# Altium PCB 布局图.PcbDoc
Units mm, origin at the board's own origin, x right, y up, seen from the top; angles counter-clockwise.
Board outline 56.21 x 60.21 mm, 2 copper layers (Top Layer, Bottom Layer); 35 components, 35 nets, 125 pads, 29 vias.
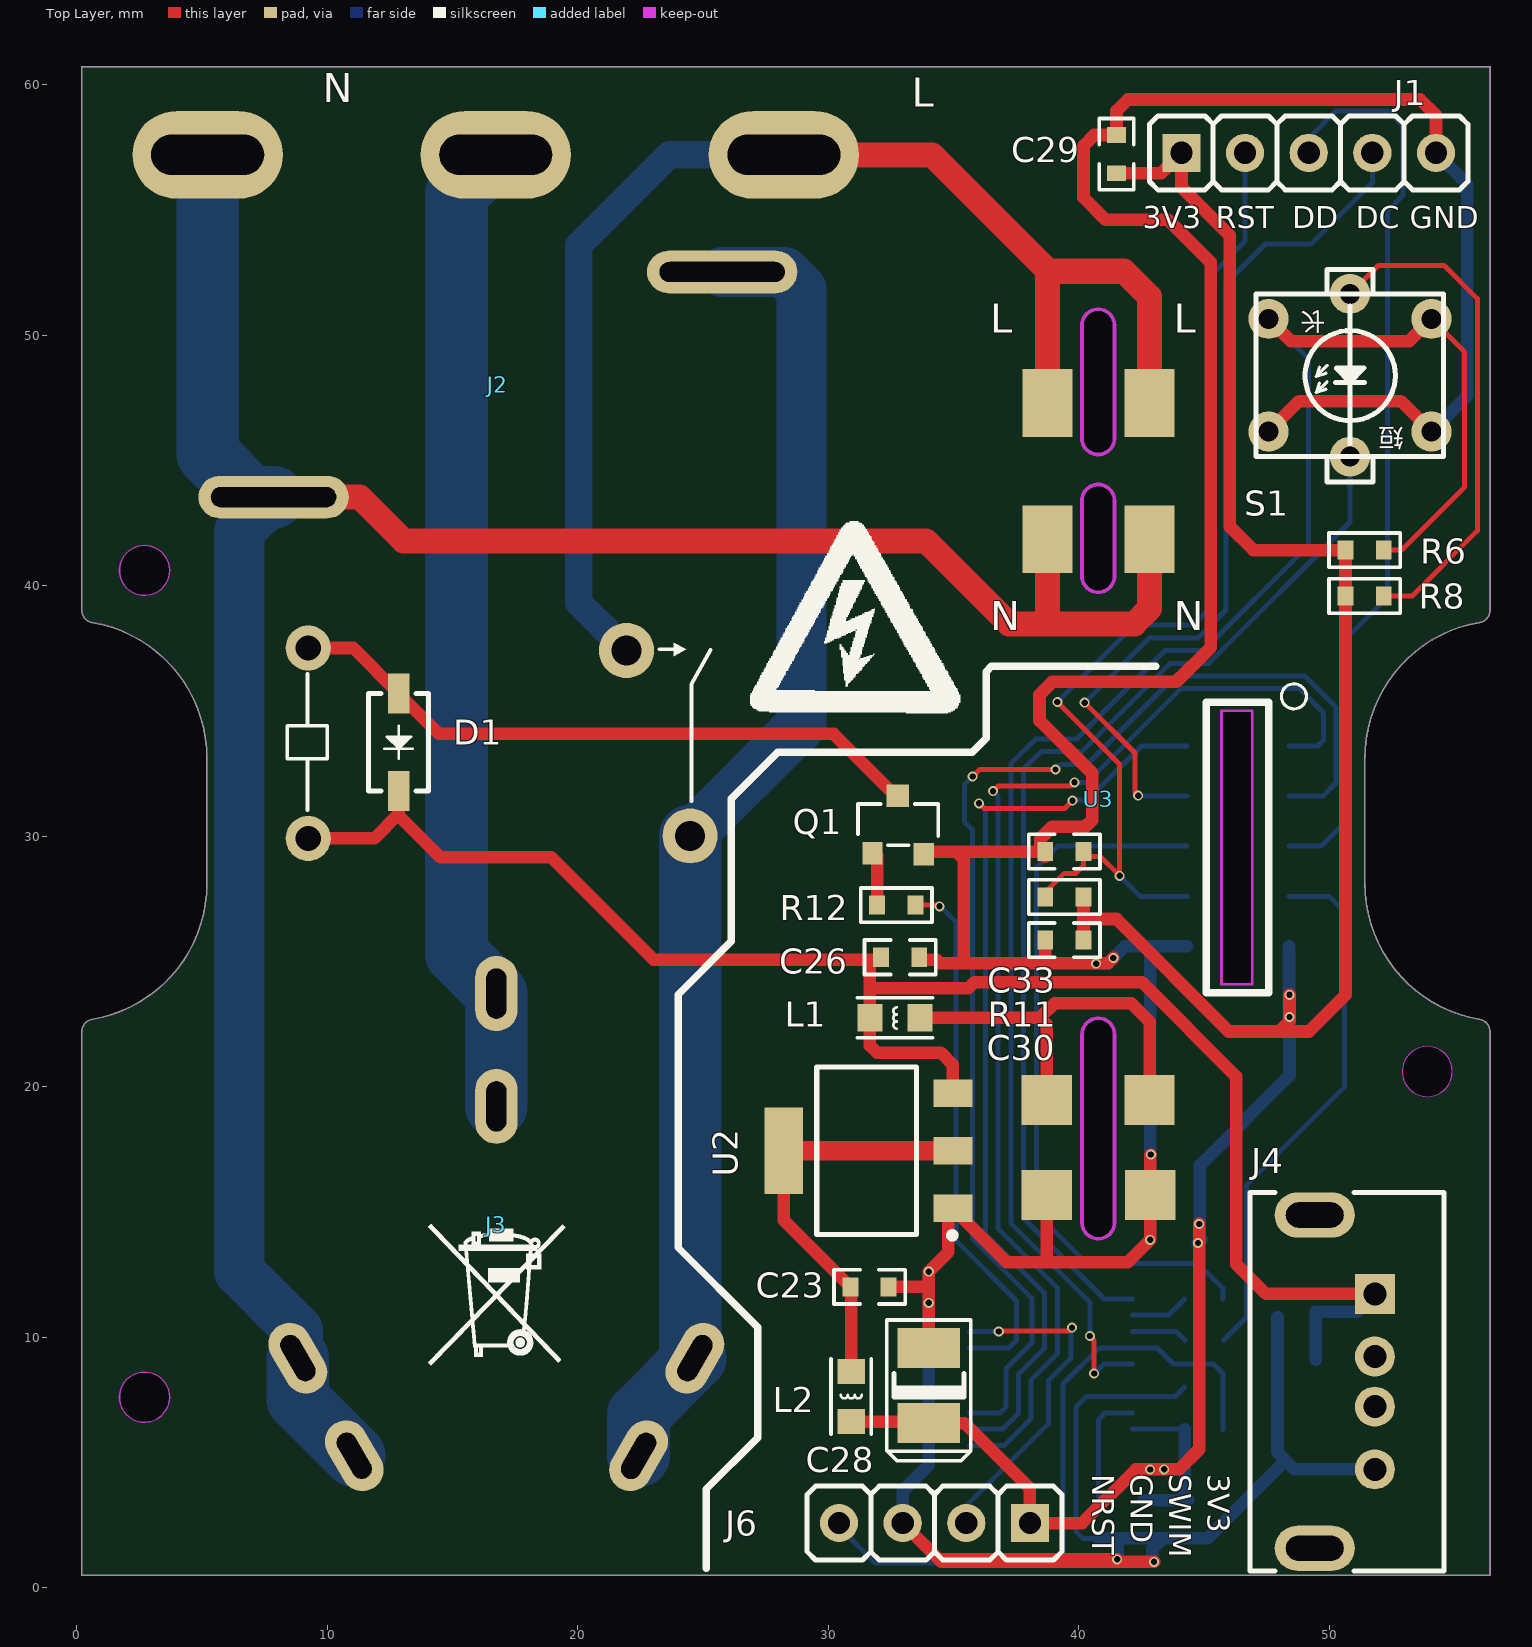
[diagram p0: Top Layer view]
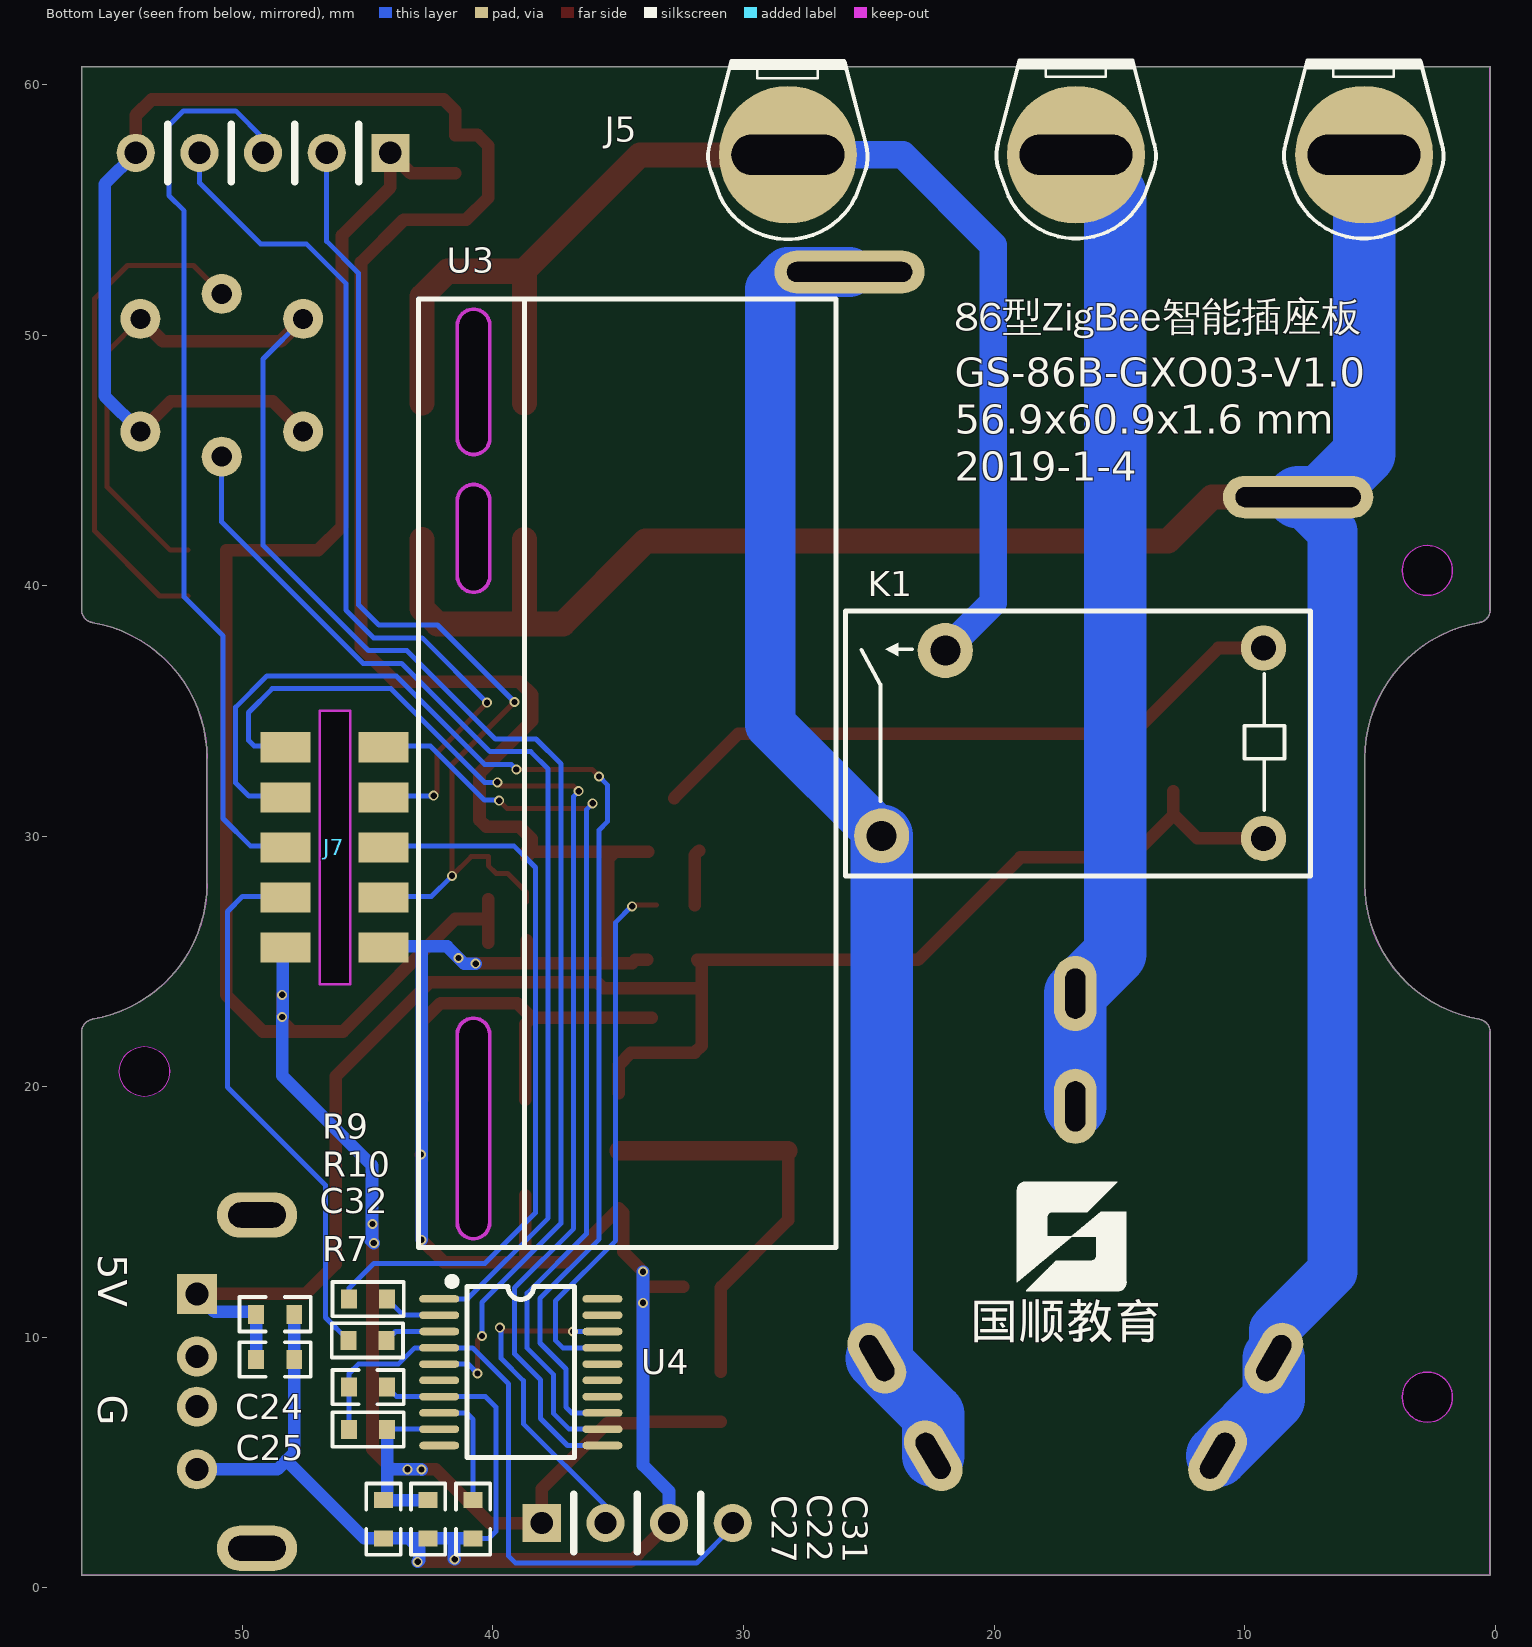
[diagram p1: Bottom Layer view, seen from below]

## Layer stack, top to bottom
Top Solder: solder mask 0.0102, Solder Resist, Dk 3.5
Top Layer: signal copper 0.0356
Dielectric1: dielectric 0.32, FR-4, Dk 4.8
Bottom Layer: signal copper 0.0356
Bottom Solder: solder mask 0.0102, Solder Resist, Dk 3.5

## Board outline
0.208,0.506 cw(c0.208,0.513) 0.202,0.513 0.202,22.197 cw(c0.708,22.197) 0.624,22.697 ccw(c-0.292,28.113) 5.202,28.113 5.202,33.113 ccw(c-0.292,33.113) 0.624,38.53 cw(c0.708,39.029) 0.624,38.53 cw(c0.708,39.029) 0.202,39.029 0.202,60.713 cw(c0.208,60.713) 0.208,60.72 56.408,60.72 cw(c56.408,60.713) 56.415,60.713 56.415,39.029 cw(c56.408,39.029) 56.415,39.029 ccw(c55.908,39.029) 56.415,39.029 cw(c55.908,39.029) 55.993,38.53 cw(c55.908,39.029) 55.993,38.53 ccw(c55.992,38.536) 55.993,38.53 ccw(c56.908,33.113) 51.415,33.113 51.415,28.113 ccw(c56.908,28.113) 55.993,22.697 cw(c55.908,22.197) 56.415,22.197 cw(c56.408,22.197) 56.415,22.197 56.415,0.513 cw(c56.408,0.513) 56.408,0.506
cut-out: 45.695,24.104 45.695,35.002 46.914,35.002 46.914,24.104
cut-out: 40.123,40.386 ccw(c40.773,40.386) 41.423,40.386 41.423,43.404 ccw(c40.773,43.404) 40.123,43.404
cut-out: 40.123,45.872 ccw(c40.773,45.872) 41.423,45.872 41.423,50.389 ccw(c40.773,50.389) 40.123,50.389
cut-out: 40.123,14.58 ccw(c40.773,14.58) 41.423,14.58 41.423,22.093 ccw(c40.773,22.093) 40.123,22.093
cut-out: 2.708,39.613 cw(c2.708,40.613) 1.708,40.613 cw(c2.708,40.613) 2.708,41.613 cw(c2.708,40.613) 3.708,40.613 cw(c2.708,40.613)
cut-out: 2.708,6.613 cw(c2.708,7.613) 1.708,7.613 cw(c2.708,7.613) 2.708,8.613 cw(c2.708,7.613) 3.708,7.613 cw(c2.708,7.613)
cut-out: 52.908,20.613 ccw(c53.908,20.613) 53.908,19.613 ccw(c53.908,20.613) 54.908,20.613 ccw(c53.908,20.613) 53.908,21.613 ccw(c53.908,20.613)

## Design rules (kind name [scope] priority, off if disabled: settings)
Clearance [All] p1: gap=0.254 ignorepadtopadclearanceinfootprint=FALSE except(0: Arc-Hole Track-Hole SMDPad-Hole THPad-Hole Via-Hole Fill-Hole Poly-Hole Region-Hole Text-Hole)
PolygonConnect [All] p1: connectstyle=Relief reliefconductorwidth=0.254 reliefentries=4 polygonreliefangle="90 Angle" airgapwidth=0.254
RoutingVias [All] p1: holewidth=0.711 width=1.27 viastyle="Through Hole" minholewidth=0.711 minwidth=1.27 maxholewidth=0.711 maxwidth=1.27
SolderMaskExpansion [All] p1: expansion=0.102
Width [All] p1: maxlimit=3 minlimit=0.2 preferedwidth=0.254
30 further rules are at their usual default settings.

## Components (designator, comment, footprint, x,y, rotation, side; value= is the part's Value field where it differs from the comment)
C22 "1nF" C0603 42.59,2.743 r90 bottom
C23 "100nF/50V" C0603 31.648,12.014 r0 top
C24 "10uF" C0603 48.692,10.922 r180 bottom
C25 "100nF/50V" C0603 48.692,9.119 r180 bottom
C26 "10uF" C0603 32.868,25.171 r0 top
C27 "100nF/50V" C0603 44.368,2.743 r270 bottom
C28 "10uF/25V" TC3528X21B 34.011,8.077 r90 top
C29 "1nF" C0603 41.504,57.226 r90 top
C30 "10nF" C0603 39.421,25.857 r0 top
C31 "1nF" C0603 40.792,2.743 r270 bottom
C32 "10nF" C0603 44.983,8.016 r0 bottom
C33 "10nF" C0603 39.421,29.394 r0 top
D1 "1N4007(T7)" SOD-123 12.852,33.757 r90 top
J1 "HDRM-1*5-2.54-AK" HDRM-1*5-2.54-AK1 44.094,57.277 r0 top
J2 "220V" "JACK-2 LINE" 16.815,48.031 r0 top locked
J3 "220V" "JACK-3 LINE" 16.755,14.499 r0 top locked
J4 "USB" "USB-F-TYPE A" 51.816,11.735 r270 top
J5 "PILLAR-3P-11.5-(6.5*4.5*8+G4.2*1.5*2)" PILLAR-3P-11.5-(6.5*4.5*8+G4.2*1.5*2) 28.23,57.201 r180 bottom
J6 "HDRM-1*4-2.54-AK" HDRM-1*4-2.54-AK1 38.049,2.591 r180 top
J7 "EDGE 10P-1.0/2.0-F" "EDGE 10P-1.0/2.0-F" 48.285,33.553 r0 top
K1 "HRS3FNH-S-DC5V-A" RELAY_HRS3FNH-S-DCXV-A 9.246,37.516 r0 bottom
L1 "742792042" L0805 32.664,22.758 r180 top
L2 "742792042" L0805 30.912,7.636 r270 top
Q1 "8050(J3Y),SOT23" SOT23 32.791,30.455 r270 top
R6 "300Ω" R0603 51.41,39.593 r180 top
R7 "10K" R0603 44.983,6.325 r0 bottom
R8 "10K" R0603 51.41,41.421 r0 top
R9 "10K" R0603 44.983,11.526 r180 bottom
R10 "10K" R0603 45.009,9.881 r180 bottom
R11 "10K" R0603 39.421,27.578 r180 top
R12 "1K" R0603 32.715,27.254 r0 top
S1 "6X6X7" SW2-6X6X7-Lamp 50.824,48.402 r180 top locked
U2 "AMS1117-3.3V" SOT-223 31.598,17.45 r90 top
U3 "5V700mA" Module_RPD10W 42.799,47.295 r180 bottom locked
U4 "STM8S103F3P6" TSSOP20-0.65/4.4 38.887,8.611 r270 bottom

## Footprints (in the part's own frame and the unit in brackets; to place one, negate y for a bottom-side part, rotate by r counter-clockwise, add the part's x,y. Pads: shape width x height; smd on the part's side, far side on the other; paste and mask are expansions set on the pad)
C0603 [mil] "Ch"
  rect 25x30 smd: 1(-30,0) 2(30,0)
  Top Layer pour cut-out: -16.73,14.76 -16.73,-14.76 16.73,-14.76 16.73,14.76
  silkscreen extent -56,-27 56,27, body extent -31,-16 31,15, height 31
"EDGE 10P-1.0/2.0-F" [mm] "金手指座"
  rect 2x1.2 smd far side: 1A(0,0) 1B(-3.912,0) 2A(0,-2) 2B(-3.912,-2) 3A(0,-4) 3B(-3.912,-4) 4A(0,-6) 4B(-3.912,-6) 5A(0,-8) 5B(-3.912,-8)
  Keep-Out Layer lines w0.1: -2.591,-9.449 -2.591,1.449 -1.372,1.449 -1.372,-9.449 -2.591,-9.449
  silkscreen extent -3.2,-9.8 0.8,2.53
HDRM-1*4-2.54-AK1 [mil]
  rect 60x60 hole 35: 1(0,0)
  round 60 hole 35: 2(100,0) 3(200,0) 4(300,0)
  silkscreen extent -50,-58 350,58, body extent -50,-52 350,48, height 333
HDRM-1*5-2.54-AK1 [mil]
  rect 60x60 hole 35: 1(0,0)
  round 60 hole 35: 2(100,0) 3(200,0) 4(300,0) 5(400,0)
  silkscreen extent -50,-58 450,58, body extent -49,-49 451,51, height 336
"JACK-2 LINE" [mm]
  oval 6x1.7 hole 5 slot 0.8 at 90 deg: 1(-8.952,-4.492) 2(8.952,4.492)
  body extent -14.38,-4.47 14.48,4.53, height 10.51
"JACK-3 LINE" [mm]
  oval 1.7x3 hole 2 slot 0.8 at 0 deg: 1(0,4.725) 1(0,9.225)
  oval 1.7x3 hole 2 slot 0.8 at 150 deg rot 150: 2(5.674,-9.225) 2(7.924,-5.328)
  oval 1.7x3 hole 2 slot 0.8 at 30 deg rot 30: 3(-7.924,-5.325) 3(-5.674,-9.222)
  body extent -11.26,-12.29 11.31,11.26, height 13
L0805 [mm]
  rect 1x1.1 smd: 1(-1,0) 2(1,0)
  Top Layer pour cut-out: -0.505,0.546 -0.505,-0.546 0.486,-0.546 0.486,0.546
  silkscreen extent -1.5,-0.8 1.5,0.8, body extent -1,-0.6 1,0.6, height 0.9
Module_RPD10W [mm]
  rect 2x2.7 smd far side: 1(-0.025,0) 1(4.054,0) 2(-0.025,-5.44) 2(4.054,-5.44)
  rect 2x2 smd far side: 3(-0.025,-27.818) 3(4.08,-27.818) 4(-0.051,-31.618) 4(4.08,-31.618)
  Keep-Out Layer lines w0.15: 2.676,-6.994 2.676,-3.942 ; 2.676,-6.906 cw(c2.026,-6.906) 1.376,-6.906 ; 2.676,-3.906 ccw(c2.026,-3.906) 1.376,-3.906 ; 2.676,-1.406 cw(c2.026,-1.406) 1.376,-1.406 ; 2.676,-1.402 2.676,3.069 ; 2.676,3.094 ccw(c2.026,3.094) 1.376,3.094 ; 2.671,-32.72 2.671,-25.231 ; 2.671,-32.706 cw(c2.021,-32.706) 1.371,-32.706 ; 2.671,-25.206 ccw(c2.021,-25.206) 1.371,-25.206 ; 1.379,-25.231 1.379,-32.694 ; 1.376,-6.966 1.376,-3.916 ; 1.376,-1.402 1.376,3.097
  silkscreen extent -0.18,-33.71 16.5,4.14
PILLAR-3P-11.5-(6.5*4.5*8+G4.2*1.5*2) [mm]
  round 5.5 / inner oval 6x3.5 / far side oval 6x3.5 hole 4.5 slot 1.6 at 90 deg: 1(0,0) 2(11.5,0) 3(23,0)
  silkscreen extent -3.18,-3.37 26.17,3.8, body extent -2.83,-3.14 25.76,7.24, height 8.41
R0603 [mil]
  rect 25x30 smd: 1(-30,0) 2(30,0)
  Top Layer pour cut-out: -16.73,14.76 -16.73,-14.76 16.73,-14.76 16.73,14.76
  silkscreen extent -56,-27 56,27, body extent -32,-16 34,16, height 22
RELAY_HRS3FNH-S-DCXV-A [mm]
  round 1.8 hole 1: 1(0,7.6) 2(0,0)
  round 2.2 hole 1.2: 3(12.7,0.1) 4(15.24,7.5)
  silkscreen extent -1.88,-1.47 16.69,9.09, body extent -1.7,-1.22 16.5,8.98, height 15.5
SOD-123 [mm]
  rect 1.6x0.85 smd: 1(1.95,0) 2(-1.95,0)
  Top Layer pour cut-out: 1.025,-0.525 -1.037,-0.525 -1.037,0.525 1.025,0.525
  silkscreen extent -1.95,-1.2 1.95,1.2, body extent -1.98,-0.84 1.87,0.86, height 1.42
SOT23 [mm]
  rect 0.9x0.8 smd: 1(1.131,-1.019) 2(1.173,1.019)
  rect 0.9x0.9 smd: 3(-1.173,-0.019)
  silkscreen extent -0.84,-1.6 0.81,1.6, body extent -1.17,-1.46 1.17,1.46, height 1
SOT-223 [mm]
  rect 1.1x1.55 smd: 1(-2.3,-3.375) 2(0,-3.375) 3(2.3,-3.375)
  rect 3.45x1.55 smd: 4(0,3.375)
  Top Layer pour cut-out: 0.584,-2.603 0.584,-4.115 1.727,-4.115 1.727,-2.603
  Top Layer pour cut-out: -1.727,-2.603 -1.727,-4.115 -0.584,-4.115 -0.584,-2.603
  silkscreen extent -3.5,-3.48 3.35,2.06, body extent -3.22,-3.57 3.28,3.36, height 1.59
SW2-6X6X7-Lamp [mm]
  round 1.6 hole 0.8: 1(-3.25,2.25) 2(-3.25,-2.25) 3(3.25,2.25) 4(3.25,-2.25) 5(0,-3.25) 6(0,3.25)
  silkscreen extent -3.73,-4.22 3.76,4.27, body extent -5.02,-5 4.98,5, height 9.91
TC3528X21B [mm] "Chip Capaci"
  rect 1.6x2.5 smd: 1(-1.499,0) 2(1.499,0)
  Top Layer pour cut-out: -0.66,1.245 -0.66,-1.245 0.66,-1.245 0.66,1.245
  silkscreen extent -3,-1.68 2.62,1.68, body extent -1.79,-1.38 1.71,1.42, height 1.9
TSSOP20-0.65/4.4 [mm] "Shrink Small Outline; 20 Leads; Body Width 4.4 mm; Pitch 0.6"
  oval 0.3x1.6 smd: 1(-2.925,-3.258) 2(-2.275,-3.258) 3(-1.625,-3.258) 4(-0.975,-3.258) 5(-0.325,-3.258) 6(0.325,-3.258) 7(0.975,-3.258) 8(1.625,-3.258) 9(2.275,-3.258) 10(2.925,-3.258) 11(2.925,3.258) 12(2.275,3.258) 13(1.625,3.258) 14(0.975,3.258) 15(0.325,3.258) 16(-0.325,3.258) 17(-0.975,3.258) 18(-1.625,3.258) 19(-2.275,3.258) 20(-2.925,3.258)
  silkscreen extent -3.77,-2.9 3.4,2.15, body extent -3.3,-3.33 3.3,3.27, height 1.2
"USB-F-TYPE A" [mm]
  rect 1.6x1.6 hole 0.92: 1(0,0)
  round 1.6 hole 0.92: 2(2.5,0) 3(4.5,0) 4(7,0)
  oval 1.8x3.2 hole 2.3 slot 1 at 0 deg: 5(-3.15,-2.4) 6(10.15,-2.4)
  silkscreen extent -4.05,-4.98 11.05,2.77, body extent -4,-4.88 11.01,2.62, height 15.3

## Part data
C22 C29 C31: library part 1nF_50V_0603, "Capacitor", 规格/型号=1nF,50
C23 C25 C27: library part 100nF_50V_0603, "Capacitor", 规格/型号=100nF,50
C24 C26: library part 10uF_16V_0603, "Capacitor", 规格/型号=10uF
C28: library part CAPC-10uF/25V_3528B, "钽电容,10uF/25V-3528B", 编码=10102020, 规格/型号=钽电容,10uF
C30 C32 C33: library part 10nF_16V_0603, "Capacitor", 规格/型号=10nF,16
D1: library part 1N4007(T7)_SOD-323, "1N4007(T7),电流100mA,SOD-323", 供应商=https://item.taobao.com/item.htm?spm=a1z09.2.0.0.68972e8dG6vGQe&id=528173504200&_u=u65bp1a, 单价=0.0, 参数=µçÁ, 规格/型号=1N4007,标字T7,100
J1 J6: "排针,直", 规格/型号=排针,间距2.
J2: library part "JACK-2 Line", "PCB板电源插口"
J3: library part "JACK-3 Line", "PCB板电源插口"
J4: library part "USB-F-TYPE A", "USB-TYPE A 母座", 供应商=https://detail.tmall.com/item.htm?id=41230755573&ali_refid=a3_430583_1006:1109983619:N:usb母座:d12bcfabcd29c3d6fab1d2f6197a48c8&ali_trackid=1_d12bcfabcd29c3d6fab1d2f6197a48c8&spm=a230r.1.14.1&skuId=32099, 单价=1., 规格/型号=USB接口母座
J5: "铜柱接口"
J7: "金手指座", 编码=²
K1: library part RLY_HRS3FNH-S-DC5V-A, "汇港,HRS3FNH-S-DC5V-A,5V,4脚,容量10A,线圈功率0.45W", 供应商=https://item.taobao.com/item.htm?spm=a1z0d.6639537.1997196601.284.3c7874847XfGDa&id=56963707, 参数=ÏßÈ¦¹¦Â, 规格/型号=»ã¸Û,HRS3FNH-S-DC5V-A,5V,4½Å,È
L1: library part BEAD-742792042_0805, "磁珠,WE-CBF,600@100M, / 500Ohm,200mA,0805,742792042", 单价=0., 规格/型号=WE-CBF,磁珠,600@100M，500Ohm,200mA,08
L2: library part BEAD-742792042_0805, "WE-CBF,600@100M,500Ohm,200mA,0805,742792042", 单价=0., 规格/型号=WE-CBF,磁珠,600@100M，500Ohm,200mA,08
Q1: library part NPN_8050(J3Y)_SOT23, "NPN,8050,SOT23", 单价=0., 编码=10104010, 规格/型号=NPN,8050,±ê×
R6: library part 300Ω_5%_0603, "300Ω,±5%,0603", 单价=0., 规格/型号=300Ω
R7 R8 R9 R10 R11: library part 10K_5%_0603, "10K,±5%,0603", 单价=0., 规格/型号=10K,¡
R12: library part 10K_5%_0603, "1K,±5%,0603", 单价=0., 规格/型号=1K,¡
S1: library part SW-PB_6X6X7-4P-LAMP, "6X6X7,带灯,4PIN", 规格/型号=轻触开
U2: library part AMS1117-3.3V_SOT223, "三端稳压器", 单价=0., 编码=10104020, 规格/型号=AMS1117-3.3,S
U3: library part Module_RPD3W05E701LS, "AC/DC模块", 供应商=https://item.taobao.com/item.htm?spm=a1z09.2.0.0.74cc2e8dXtKn0n&id=527538079756&_u=965bp1a, 物料名称=A, 规格/型号=AC-DC降压模块,瑞普达,RPDZN,R
U4: library part STM8S103F3P6_TSSOP20, "STM8 ARM-based 32-bit MCU with 8 Kbytes Flash, 20-pin TSSOP, Industrial Temperature", 规格/型号=STM8S103F3P6,T

## Via types
v1: diameter 0.4, hole 0.25, Top Layer to Bottom Layer, tented both sides, 29 vias

## Nets (pads, with @x,y where several pads share a name; then routed paths per layer and width w, separated by ;. In a path a pad name is that pad's centre, name@x,y a point inside that pad or via, vN(x,y) a via of type N, cw(c..) or ccw(c..) an arc to the next point about the centre after c; other vN are vias at no path point)
+3V3: C22.2 C27.1 C28.1 C29.1 C30.2 J1.1 J6.1 J7.5A L2.2 R6.2 R7.1 R8.1 R11.1 U4.9 | length 105.7
  Top Layer w0.5: L2.2 33.954,6.636 C28.1 35.433,6.579 38.049,3.962 J6.1 40.132,2.591 42.276,4.735 v1(43.409,4.735)
  Top Layer w0.508: C30.2@40.183,25.756 C30.2 R11.1@40.183,27.476 ; 40.208,26.695 41.504,26.695 45.987,22.212 47.993,22.212 ; C29.1 43.282,56.464 J1.1 44.094,55.905 46.025,53.975 46.025,42.367 46.971,41.421 R8.1 R6.2 50.648,23.673 49.187,22.212 47.993,22.212 ; v1(43.409,4.735) 44.003,4.735 44.806,5.537 v1(44.806,14.529) ; v1(48.412,23.673) v1(48.412,22.784) 48.412,22.631 47.993,22.212
  Bottom Layer w0.2: U4.9 44.21,6.336 R7.1
  Bottom Layer w0.5: C22.2 C27.1 44.221,3.652 44.221,4.724 ; v1(42.85,4.724) 42.86,4.735 v1(43.409,4.735) 44.211,4.735 44.221,4.724 ; R7.1 44.221,4.724
  Bottom Layer w0.508: v1(44.755,13.767) 44.907,13.919 ; 44.831,13.97 44.831,16.866 48.412,20.447 v1(48.412,22.784) 48.387,22.809 J7.5A@48.387,25.603
+5V: C24.1 C25.1 C26.1 D1.2 J4.1 K1.1 L1.2 U2.3 | length 69
  Top Layer w0.5: K1.1 11.882,29.916 12.852,30.886 ; D1.2 12.852,30.886 ; 31.664,23.901 L1.2 31.664,21.65 31.953,21.361 34.493,21.361 34.973,20.882 U2.3 ; J4.1 47.473,11.735 46.279,12.929 46.279,20.422 42.52,24.181 35.839,24.181 35.585,23.927 31.664,23.927 31.664,24.883 31.852,25.07 23.038,25.07 18.948,29.159 14.529,29.159 12.852,30.836 12.852,30.886
  Bottom Layer w0.5: C25.1 C24.1 49.454,11.024 51.105,11.024 J4.1
GND: C22.1 C23.2 C24.2 C25.2 C26.2 C27.2 C28.2 C29.2 C30.1 C31.2 C32.1 C33.1 J1.5 J4.4 J6.3 J7.5B Q1.2 S1.1 S1.3 U2.1 U3.4 U4.7 | length 192.9
  Top Layer w0.5: C23.2 33.934,12.014 34.011,11.938 ; 33.884,1.676 34.417,1.143 34.519,1.041 v1(43.002,1.041) ; C28.2 v1(34.011,11.379) 34.011,11.938 ; 34.315,25.07 34.45,24.935 35.408,24.935 38.633,24.935 ; C30.1 38.659,24.96 38.633,24.935 ; U3.4@38.719,15.677 38.719,13.097 38.811,13.005 ; v1(41.377,25.146) 41.165,24.935 38.633,24.935 ; v1(42.875,17.297) 42.85,17.272 42.85,15.677 v1(42.85,13.894) 41.961,13.005 38.811,13.005 ; S1.3 48.793,47.371 52.855,47.371 S1.1 ; 34.011,11.938 v1(34.011,12.624) 34.798,13.411 34.798,14.975 U2.1 37.118,13.005 38.811,13.005
  Top Layer w0.508: J6.3 33.884,1.676 ; Q1.2@33.81,29.384 35.128,29.384 ; C26.2@33.852,25.07 34.315,25.07 ; 34.417,1.143 v1(41.529,1.143) ; 35.408,24.935 35.408,29.104 35.128,29.384 ; C33.1 38.659,29.185 C33.1@38.46,29.384 ; J1.5 54.254,58.776 53.619,59.411 41.961,59.411 41.504,58.953 C29.2 40.615,57.988 40.183,57.556 40.183,55.499 41.072,54.61 43.561,54.61 45.263,52.908 45.263,37.541 43.891,36.17 38.953,36.17 38.433,35.65 38.433,34.617 40.535,32.515 40.535,30.655 40.259,30.378 38.938,30.378 38.46,29.9 C33.1@38.46,29.384 ; 35.128,29.384 C33.1@38.46,29.384
  Bottom Layer w0.2: C31.2 40.157,1.981 39.878,2.261 39.878,7.214 40.3,7.636 U4.7 43.841,7.636 C32.1
  Bottom Layer w0.5: v1(40.691,24.917) 41.148,24.917 v1(41.377,25.146) 41.834,25.603 42.901,25.603 ; C31.2 41.554,1.981 ; v1(41.529,1.143) 41.554,1.168 41.554,1.981 ; v1(42.85,13.894) 42.85,25.552 42.901,25.603 ; v1(43.002,1.041) 42.936,1.107 42.936,1.565 43.353,1.981 ; J7.5B@44.323,25.603 42.901,25.603 ; C24.2@47.93,10.802 C25.2 47.93,5.41 48.247,5.093 ; J4.4 48.605,4.735 48.247,5.093 ; S1.1 55.499,47.577 55.499,56.032 J1.5 ; 41.554,1.981 C22.1 43.353,1.981 ; 43.353,1.981 C27.2 45.136,1.981 48.247,5.093
  Bottom Layer w0.508: J6.3 32.969,3.861 34.011,4.902 v1(34.011,11.379) v1(34.011,12.624)
K_OUT1: U4.14
K_OUT2: U4.15
MODEL: U4.20
NetC23_1: C23.1 L2.1 U2.2 U2.4 | length 16.7
  Top Layer w0.5: U2.4 28.223,14.678 C23.1 30.912,11.989 L2.1
  Top Layer w0.762: U2.4 U2.2
NetC31_1: C31.1 U4.8 | length 4.7
  Bottom Layer w0.2: C31.1 40.792,6.731 41.047,6.986 U4.8
NetD1_1: D1.1 K1.2 Q1.3 | length 26
  Top Layer w0.5: K1.2 11.043,37.516 D1.1 14.472,34.087 30.211,34.087 Q1.3@32.772,31.526
NetJ2_1: J2.1 J3.3 J5.3 U3.2 | length 99.5
  Top Layer w1: J2.1 11.299,43.539 13.056,41.783 33.909,41.783 37.211,38.481 38.71,38.481 ; U3.2@38.745,41.855 38.745,38.516 38.71,38.481 ; U3.2@42.824,41.855 42.824,39.091 42.215,38.481 38.71,38.481
  Bottom Layer w2: J2.1 6.493,42.17 6.493,12.633 8.831,10.296 J3.3@8.831,9.174
  Bottom Layer w2.5: J5.3 5.23,45.265 6.956,43.539 J2.1 ; J3.3@8.831,9.174 8.831,7.527 J3.3@11.081,5.277
NetJ2_2: J2.2 J3.2 K1.4 | length 52.9
  Bottom Layer w2: K1.4 28.931,34.461 28.931,51.841 28.248,52.524 J2.2
  Bottom Layer w2.5: J3.2@22.429,5.274 22.429,6.921 24.679,9.171 24.486,9.364 K1.4
NetJ3_1: J3.1 J5.2 | length 39.3
  Bottom Layer w2.5: J5.2 15.164,55.635 15.164,25.315 16.755,23.724 J3.1@16.755,19.224
NetJ5_1: J5.1 K1.3 U3.1 | length 53.1
  Top Layer w0.8: 38.745,52.511 38.786,52.553
  Top Layer w1: J5.1 34.138,57.201 38.786,52.553 41.808,52.553 42.824,51.537 U3.1@42.824,47.295 ; U3.1@38.745,47.295 38.745,52.511
  Bottom Layer w1.1: K1.3 20.041,39.321 20.041,53.594 23.647,57.201 J5.1
NetL1_1: L1.1 U3.3 | length 16.2
  Top Layer w0.5: L1.1 38.456,22.758 ; U3.3@38.719,19.477 38.719,22.495 38.456,22.758 ; U3.3@42.824,19.477 42.824,22.606 42.088,23.343 39.04,23.343 38.456,22.758
NetQ1_1: Q1.1 R12.1 | length 2.2
  Top Layer w0.5: Q1.1@31.772,29.426 31.953,29.245 R12.1
NetR6_1: R6.1 S1.5 | length 20.2
  Top Layer w0.2: S1.5 51.954,52.781 54.585,52.781 55.905,51.46 55.905,42.189 53.309,39.593 R6.1
NRST: C32.2 J6.4 R7.2 U4.4 | length 26.3
  Bottom Layer w0.2: J6.4 30.429,2.438 31.877,0.991 39.091,0.991 39.37,1.27 39.37,8.137 40.819,9.586 U4.4 43.119,9.586 43.76,8.945 45.36,8.945 45.745,8.56 C32.2 R7.2
PA_EN: J7.1B U4.12 | length 37.5
  Top Layer w0.2: v1(36.017,31.318) 36.22,31.115 39.446,31.115 v1(39.751,31.42)
  Bottom Layer w0.2: U4.12 36.955,6.336 37.592,6.973 37.592,8.527 38.633,9.569 38.633,11.767 36.271,14.13 36.271,31.064 v1(36.017,31.318) ; v1(39.751,31.42) 39.776,31.445 40.342,31.445 42.5,33.603 J7.1B@44.323,33.603
PA_HGM: J7.1A U4.11 | length 47.3
  Top Layer w0.2: v1(36.576,31.801) 36.776,32.001 39.672,32.001 v1(39.827,32.156)
  Bottom Layer w0.2: U4.11 37.023,5.686 38.1,6.762 38.1,8.306 39.141,9.347 39.141,11.978 36.779,14.34 36.779,31.598 v1(36.576,31.801) ; v1(39.827,32.156) 40.335,32.156 44.069,35.89 48.812,35.89 49.759,34.943 49.759,33.833 49.529,33.603 J7.1A@48.387,33.603
PA_PAEN: J7.2A U4.13 | length 50.2
  Top Layer w0.2: v1(35.763,32.385) 36.043,32.664 v1(39.065,32.664)
  Bottom Layer w0.2: U4.13 36.855,6.986 37.084,7.215 37.084,8.738 38.125,9.779 38.125,11.557 35.763,13.919 35.763,30.251 35.433,30.582 35.433,32.055 v1(35.763,32.385) ; v1(39.065,32.664) 39.268,32.868 40.328,32.868 43.859,36.398 49.022,36.398 50.267,35.154 50.267,32.131 49.739,31.603 J7.2A@48.387,31.603
RESET: C33.2 J1.2 J7.4B R11.2 | length 41.8
  Top Layer w0.2: R11.2@38.659,27.368 R11.2 38.659,27.762 39.421,28.524 39.878,28.524 40.183,28.829 40.183,29.185 40.869,29.185 v1(41.631,28.423) 41.631,32.868 v1(39.141,35.357)
  Bottom Layer w0.2: v1(39.141,35.357) 42.215,38.43 44.555,38.43 45.364,39.239 45.364,52.476 46.634,53.746 J1.2 ; v1@41.681,28.372 42.45,27.603 J7.4B@44.323,27.603
RLY1: U4.10
RLY2: U4.16
RLY3: R12.2 U4.17 | length 21.6
  Top Layer w0.2: R12.2 34.392,27.254 v1(34.442,27.203)
  Bottom Layer w0.2: v1(34.442,27.203) 34.468,27.203 35.103,26.568 35.103,13.861 37.51,11.454 37.51,9.882 37.214,9.586 U4.17
RX: J7.3B R9.1 | length 29.3
  Bottom Layer w0.2: J7.3B@44.323,29.603 39.154,29.603 38.303,28.753 38.303,14.971 40.315,12.959 44.749,12.959 45.745,11.963 R9.1
samping: U4.19
SWIM: J6.2 U4.18 | length 13.7
  Top Layer w0.2: v1(36.805,10.236) 36.825,10.256 39.593,10.256 v1(39.726,10.389)
  Bottom Layer w0.2: J6.2 35.509,3.277 38.786,6.553 38.786,8.271 39.681,9.166 39.681,10.389 v1(39.726,10.389) ; U4.18 v1(36.805,10.236)
T_LED1: S1.6 U4.1 | length 43.3
  Bottom Layer w0.2: U4.1 41.02,11.536 37.795,14.761 37.795,32.683 38.488,33.376 40.118,33.376 43.648,36.906 45.187,36.906 50.824,42.544 S1.6
T_LED4: R8.2 S1.2 S1.4 U4.5 | length 71.4
  Top Layer w0.2: v1(40.437,10.058) 40.615,9.881 v1(40.615,8.56) ; R8.2 52.877,41.421 55.397,43.942 55.397,49.329 S1.2
  Top Layer w0.508: S1.4 48.467,49.759 53.181,49.759 S1.2
  Bottom Layer w0.2: v1(40.437,10.058) 40.437,11.401 37.287,14.55 37.287,32.893 38.278,33.884 39.907,33.884 43.438,37.414 44.976,37.414 49.174,41.612 49.174,49.052 S1.4 ; v1(40.615,8.56) 40.99,8.936 U4.5
T_LED5: U4.6
TX: J7.4A R10.1 | length 21.6
  Bottom Layer w0.2: R10.1 46.685,10.795 46.685,16.078 50.597,19.99 50.597,27 49.994,27.603 J7.4A@48.387,27.603
Zigbee-DC: J1.4 J7.2B | length 35.5
  Top Layer w0.2: v1(40.235,35.333) 42.24,33.328 42.24,31.75 v1(42.367,31.623)
  Bottom Layer w0.2: v1(40.235,35.333) 42.824,37.922 44.766,37.922 45.872,39.029 45.872,52.07 47.447,53.645 49.276,53.645 51.714,56.083 J1.4 ; v1(42.367,31.623) 42.387,31.603 J7.2B@44.323,31.603
Zigbee-DD: J1.3 J7.3A | length 36.4
  Bottom Layer w0.2: J7.3A@48.387,29.603 49.669,29.603 50.775,30.709 50.775,37.998 52.324,39.548 52.324,54.966 52.934,55.575 52.934,58.369 52.349,58.953 50.267,58.953 49.174,57.861 J1.3
Zigbee-RX1: R9.2 U4.2 | length 2.3
  Bottom Layer w0.2: U4.2 43.581,10.886 R9.2
Zigbee-TX1: R10.2 U4.3 | length 2.2
  Bottom Layer w0.2: U4.3 43.892,10.236 R10.2
pads on no net: J4.2 J4.3 J4.5 J4.6

## Keep-outs
Bottom Overlay:
  lines w0.008: 14.718,12.368 18.202,12.368
Keep-Out Layer:
  circle w0.013: c2.708,7.613 r1
  circle w0.013: c2.708,40.613 r1
  circle w0.013: c53.908,20.613 r1
  lines w0.013: 0.208,60.713 56.408,60.713 ; 0.208,60.713 56.408,60.713 ; 0.208,60.713 0.208,39.029 ccw(c0.708,39.029) 0.625,38.536 cw(c-0.292,33.113) 5.208,33.113 5.208,28.113 cw(c-0.292,28.113) 0.625,22.69 ccw(c0.708,22.197) 0.208,22.197 0.208,0.513 56.408,0.513 56.408,22.197 ccw(c55.908,22.197) 55.992,22.69 cw(c56.908,28.113) 51.408,28.113 51.408,33.113 cw(c56.908,33.113) 55.992,38.536 ccw(c55.908,39.029) 56.408,39.029 56.408,60.713

## Silkscreen, mask and mechanical layers (free items; w line width, h text height)
Top Overlay:
  drawing of 5097 lines, arcs and shapes, not listed
  text "N" at 9.83,58.903 h2
  text "L" at 33.325,58.725 h2
  text "3V3" at 42.545,53.975 h1.5
  text "RST" at 45.466,53.975 h1.5
  text "DD" at 48.514,53.963 h1.5
  text "DC" at 51.053,53.975 h1.5
  text "GND" at 53.213,53.975 h1.5
  text "L" at 36.474,49.708 h2
  text "L" at 43.79,49.708 h2
  text "N" at 36.474,37.821 h2
  text "N" at 43.79,37.821 h2
  text "NRST" at 40.234,4.54 h1.5 r270
  text "GND" at 41.775,4.54 h1.5 r270
  text "SWIM" at 43.315,4.54 h1.5 r270
  text "3V3" at 44.856,4.54 h1.5 r270
Bottom Overlay:
  drawing of 973 lines, arcs and shapes, not listed
  text "86型ZigBee智能插座板" at 21.574,49.787 h2
  text "GS-86B-GXO03-V1.0" at 21.574,47.551 h2
  text "56.9x60.9x1.6 mm" at 21.574,45.672 h2
  text "2019-1-4" at 21.574,43.793 h2
  text "5V       G" at 56.159,13.31 h2 r90
  text "国顺教育" at 20.955,9.5 h2.4
Mechanical 1:
  drawing of 268 lines, arcs and shapes, not listed
  text "57,2" at 2058.451,1533.203 h2.5
  text "61,2" at 2103.512,1491.863 h2.5 r90
  text "12,4" at 2022.081,1469.464 h2.5 r90
  text "5" at 2013.208,1456.415 h2.5
  text "57,2" at 385.701,81.203 h2.5
  text "61,2" at 430.762,39.863 h2.5 r90
Mechanical 2:
  circle w0.006: c432.889,10.513 r0.003
  circle w0.006: c414.301,10.513 r0.003
  circle w0.006: c414.301,71.713 r0.003
  circle w0.006: c414.301,80.326 r0.003
  circle w0.006: c414.301,71.713 r0.003
  circle w0.006: c357.101,71.713 r0.003
  circle w0.006: c2029.851,1523.713 r0.003
  circle w0.006: c2087.051,1523.713 r0.003
  circle w0.006: c2087.051,1532.326 r0.003
  circle w0.006: c2087.051,1523.713 r0.003
  circle w0.006: c2087.051,1462.513 r0.003
  circle w0.006: c2105.639,1462.513 r0.003
  circle w0.006: c2010.708,1464.514 r0.003
  circle w0.006: c2015.708,1464.514 r0.003
  circle w0.006: c2015.708,1455.769 r0.003
  circle w0.006: c2015.708,1476.914 r0.003
  circle w0.006: c2015.708,1464.514 r0.003
  circle w0.006: c2024.209,1464.514 r0.003
  circle w0.006: c53.208,2.014 r0.003
  circle w0.006: c53.208,14.414 r0.003
  circle w0.006: c53.208,2.014 r0.003
  circle w0.006: c48.208,2.014 r0.003
  lines w0.1: 42.748,25.552 46.203,25.552 46.228,25.578 ; 44.272,24.206 44.272,26.772
  text "制板说明：" at 2.177,-14.757 h1.52
  text "1. 电路板边框依KeepOut层" at 3.904,-16.739 h1.52
Mechanical 15:
  rectangle: 46.584,24.282 49.583,35.282
  rectangle: 43.87,20.396 48.87,40.396
  lines w0.02: -0.288,55.017 33.712,55.017 33.712,0.017
Mechanical 16:
  drawing of 3772 lines, arcs and shapes, not listed
  text "1" at -40.547,109.448 h1.78
  text "2" at 32.097,109.448 h1.78
  text "3" at 105.249,109.448 h1.78
  text "4" at 178.147,109.448 h1.78
  text "A" at -74.888,86.435 h1.78
  text "A" at 212.132,86.435 h1.78
  text "B" at -74.888,38.378 h1.78
  text "B" at 212.132,38.378 h1.78
  text "C" at -74.888,-10.136 h1.78
  text "C" at 212.132,-10.136 h1.78
  text "PCB制板工艺" at 144.035,-51.214 h3
  text "GS-86B-GXO03" at 75.074,-52.357 h3.5
  text "56.9 x 60.9" at 131.97,-54.262 h2
  text "板子大小" at 122.903,-54.288 h2
  text "板子数量" at 149.302,-54.288 h2
  text "（mm）" at 143.781,-54.389 h2
  text "18" at 161.688,-54.389 h2
  text "（PCS）" at 167.763,-54.389 h2
  text "86型ZigBee智能插座板" at 74.973,-56.752 h3.5
  text "☆0.8" at 132.473,-57.144 h2
  text "☆1.2" at 149.302,-57.194 h2
  text "☆1.0" at 140.793,-57.219 h2
  text "板子厚度" at 122.903,-57.247 h2
  text "★1.6" at 158.671,-57.294 h2
  text "☆2.0" at 167.779,-57.398 h2
  text "D" at -74.888,-58.142 h1.78
  text "D" at 212.132,-58.142 h1.78
  text "☆1" at 132.473,-60.145 h2
  text "mm" at 167.48,-60.168 h2
  text "V1.0" at 83.761,-60.231 h2
  text "日  期：" at 99.255,-60.241 h2
  text "2019－1－3" at 108.348,-60.231 h2
  text "★2" at 140.793,-60.22 h2
  text "版  本：" at 73.906,-60.257 h2
  text "板子层数" at 122.903,-60.249 h2
  text "0.3" at 158.894,-60.282 h2
  text "最小过孔" at 149.302,-60.332 h2
  text "项目名称：" at 73.906,-62.975 h2
  text "★单片" at 132.473,-63.008 h2
  text "☆连片" at 140.793,-63.001 h2
  text "5" at 159.098,-63 h2
  text "mil" at 167.48,-63 h2
  text "实训室智能化管理系统" at 83.761,-63.025 h2
  text "交货形式" at 122.903,-63.024 h2
  text "最小线宽" at 149.302,-63.024 h2
  text "☆黑色" at 158.717,-65.794 h2
  text "☆白色" at 167.779,-65.794 h2
  text "设计组：" at 73.906,-65.819 h2
  text "智能实训室产品部" at 83.761,-65.819 h2
  text "★绿色" at 132.473,-65.843 h2
  text "☆红色" at 140.793,-65.843 h2
  text "☆蓝色" at 149.302,-65.843 h2
  text "阻焊颜色" at 122.903,-65.92 h2
  text "深圳市国顺教育科技" at 177.69,-66.581 h3
  text "（厂商内部编号请放置指定位置）" at 150.893,-68.74 h1.5
  text "☆黑色" at 132.473,-68.835 h2
  text "★白色" at 140.793,-68.85 h2
  text "李剑平" at 83.761,-68.867 h2
  text "李剑平" at 108.348,-68.867 h2
  text "字符颜色" at 122.903,-68.866 h2
  text "设  计：" at 73.906,-68.887 h2
  text "绘  图：" at 99.331,-68.903 h2
  text "有限公司" at 177.69,-69.629 h3
  text "焊盘喷锡" at 122.903,-71.56 h2
  text "批  准：" at 99.331,-71.611 h2
  text "★有铅" at 132.422,-71.619 h2
  text "☆无铅" at 140.793,-71.619 h2
  text "☆沉金" at 149.302,-71.603 h2
  text "检  查：" at 73.906,-71.636 h2
  text "杨青" at 83.761,-71.661 h2
  text "杨青" at 108.348,-71.661 h2
  text "中国广东省深圳市南山区桃源街道" at 177.954,-72.241 h2
  text "阻焊覆盖" at 122.903,-74.354 h2
  text "打印日期" at 73.906,-74.405 h2
  text "★过孔盖油" at 132.422,-74.413 h2
  text "☆过孔开窗" at 149.302,-74.405 h2
  text ".PRINT_DATE" at 83.812,-74.43 h1.5
  text "南山智园A4栋1208" at 178.004,-74.535 h2
  text "1" at -40.547,-78.512 h1.78
  text "2" at 32.097,-78.512 h1.78
  text "3" at 105.249,-78.512 h1.78
  text "4" at 178.147,-78.512 h1.78

## Dimensions
56.261,0.152 to 56.769,61.062 on Mechanical 2
-0.178,0.254 to 56.769,0.229 on Mechanical 2

## Text inside footprints (layer, text, board x,y; h text height)
J5: Mechanical 2 "Inner edge of shell" at 30.135,59.258 h1.52
J7: Mechanical 2 "PCB 1.0mm" at 46.787,25.477 h1 r90
S1: Top Overlay "长" at 49.859,51.17 h1.3 r180; Top Overlay "短" at 52.983,46.522 h1.3 r180